# Altium PCB 830-00011 Microhard Module Breakout Board.PcbDoc
Units mm, origin at the board's own origin, x right, y up, seen from the top; angles counter-clockwise.
Board outline 56.95 x 89.2 mm, 4 copper layers (Top Layer, Int1 (GND), Int2 (GND), Bottom Layer), stack 1.538 mm thick; 23 components, 21 nets, 162 pads, 715 vias.
Unrouted connection lines stored in the file: 1645.
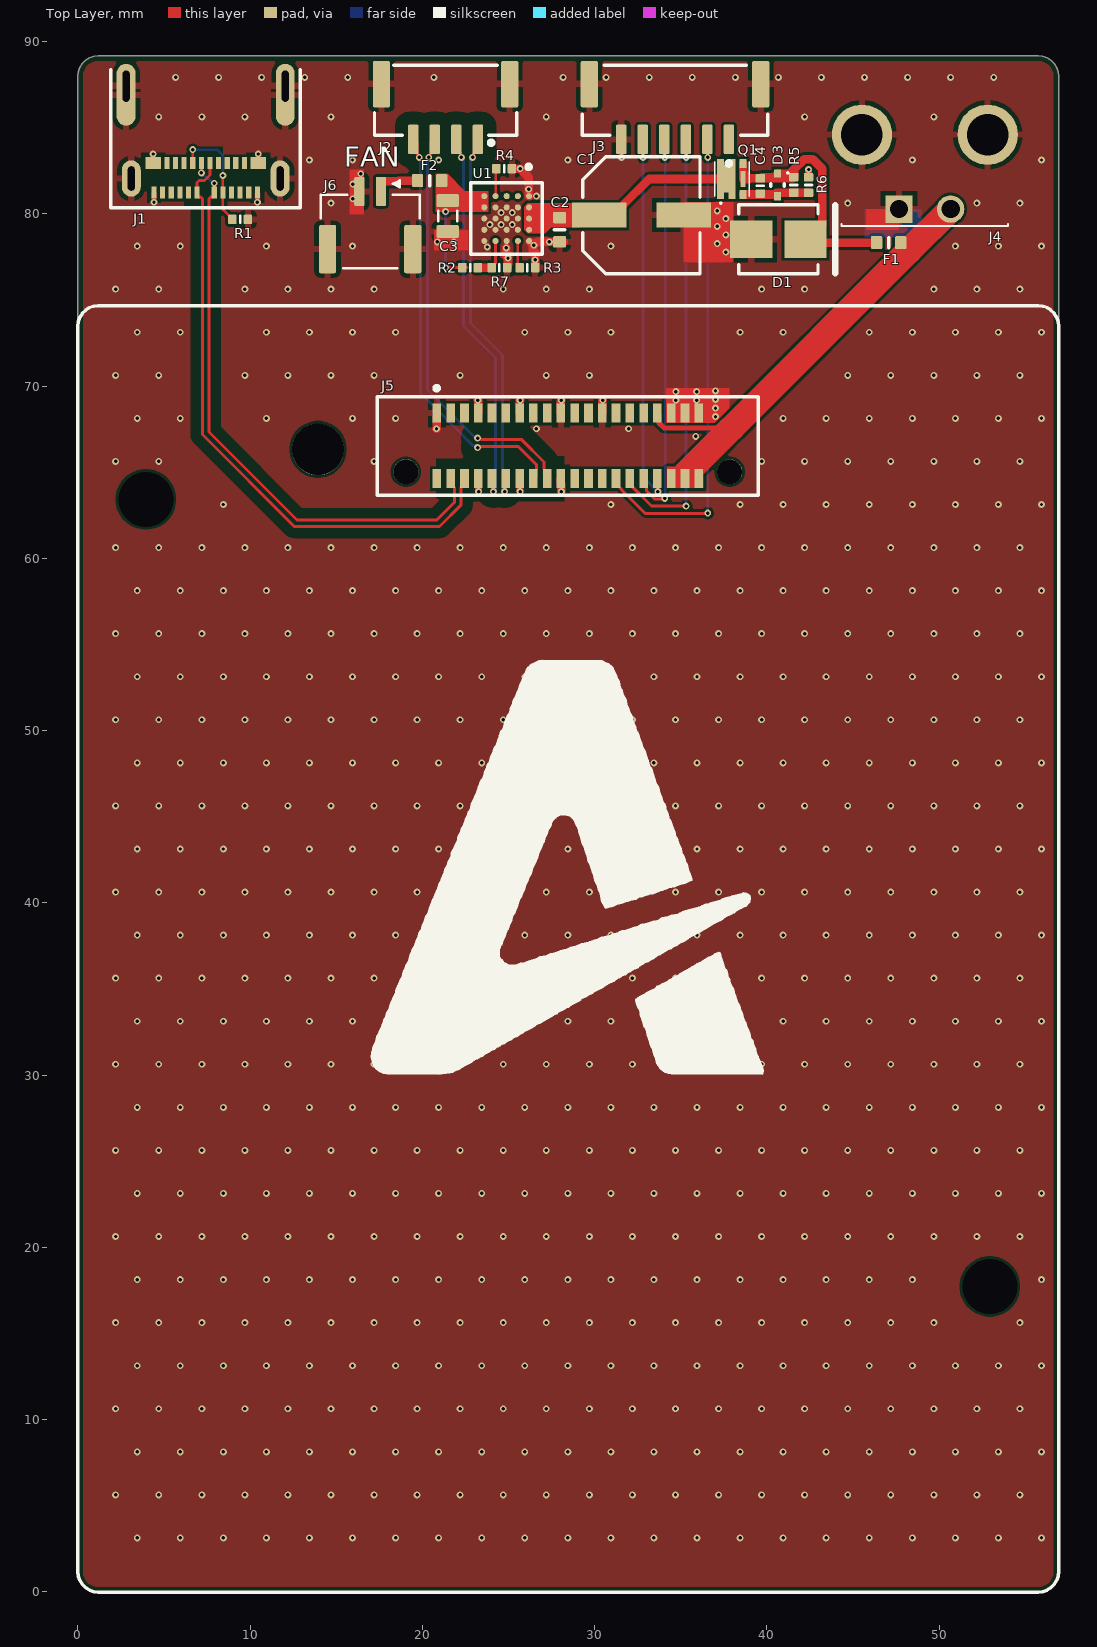
[diagram p0: Top Layer view]
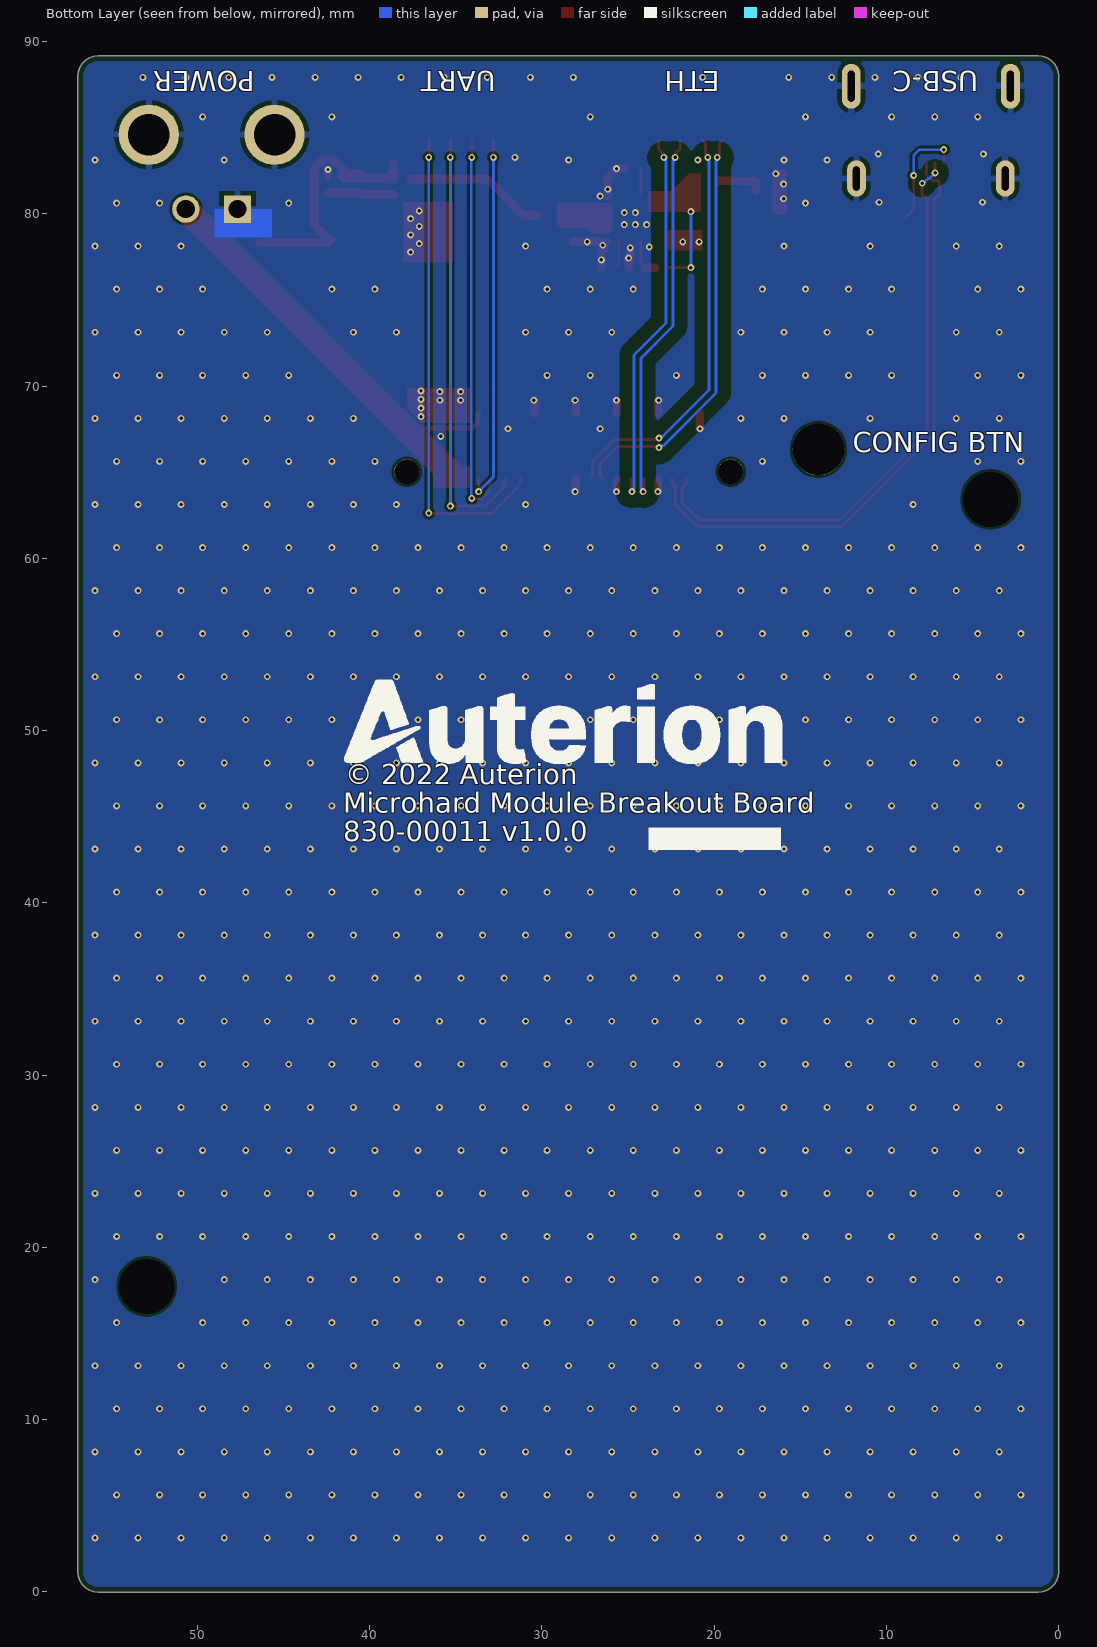
[diagram p1: Bottom Layer view, seen from below]
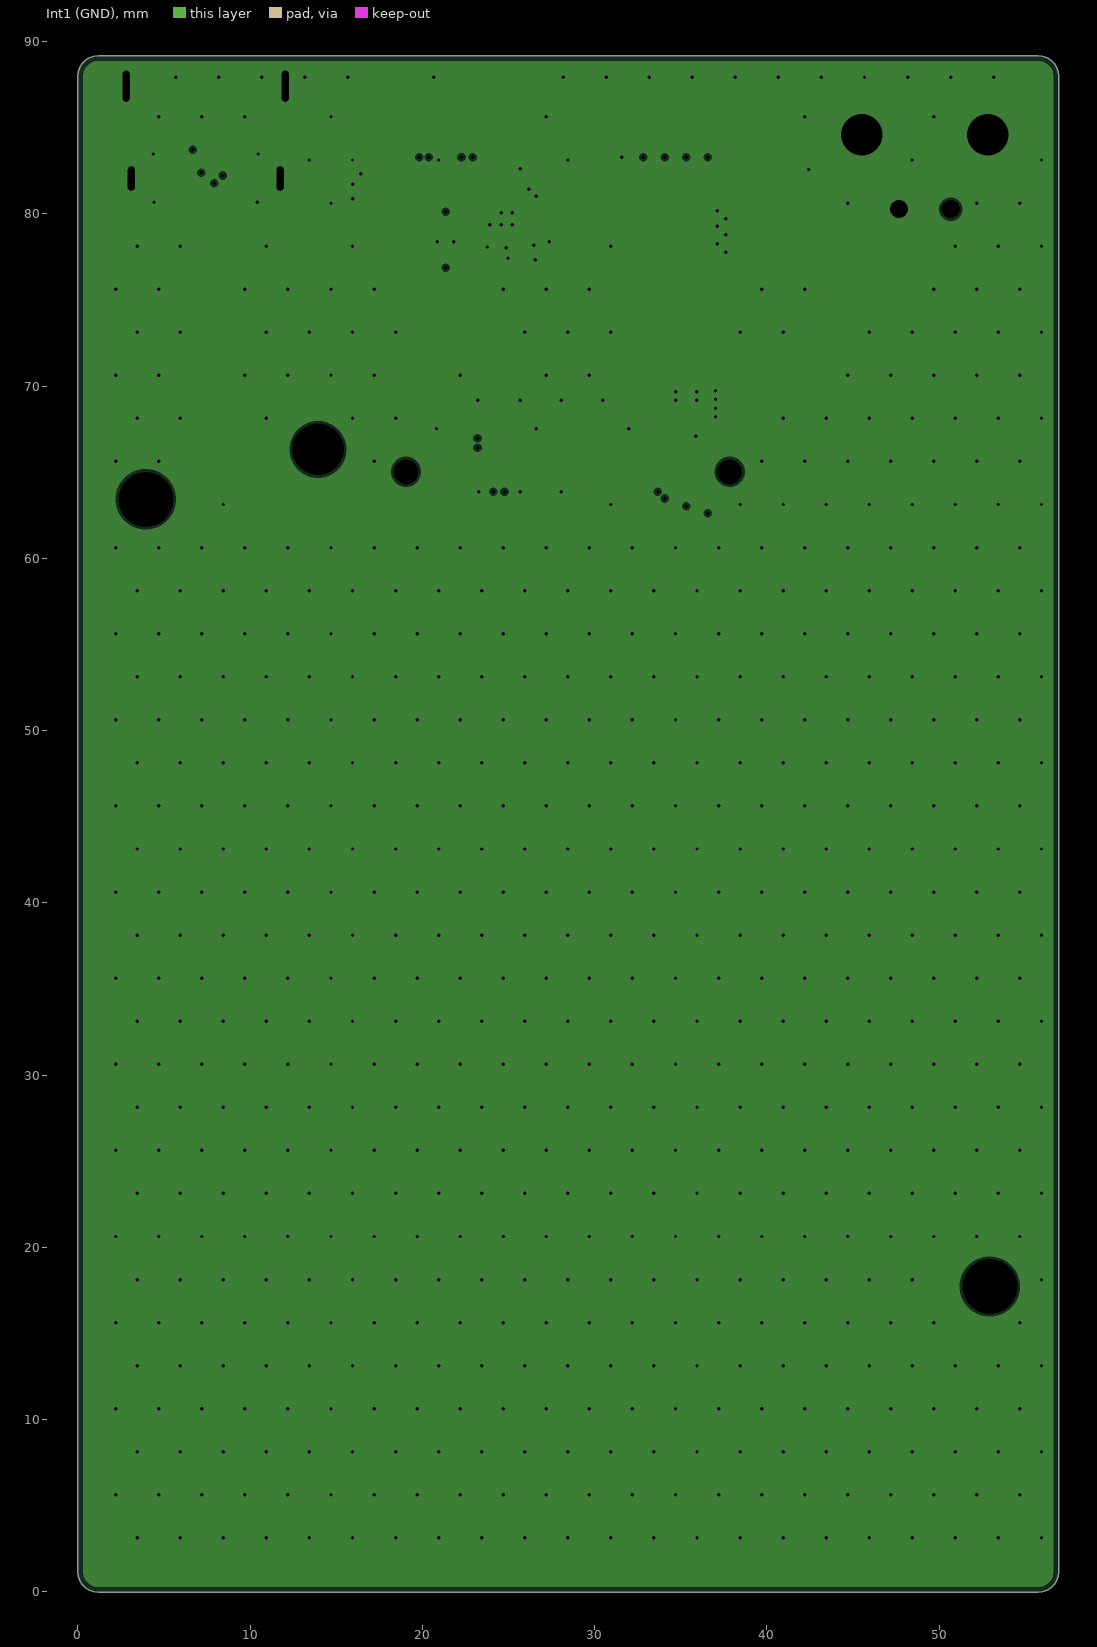
[diagram p2: Int1 (GND), clearances drawn from the general rule]
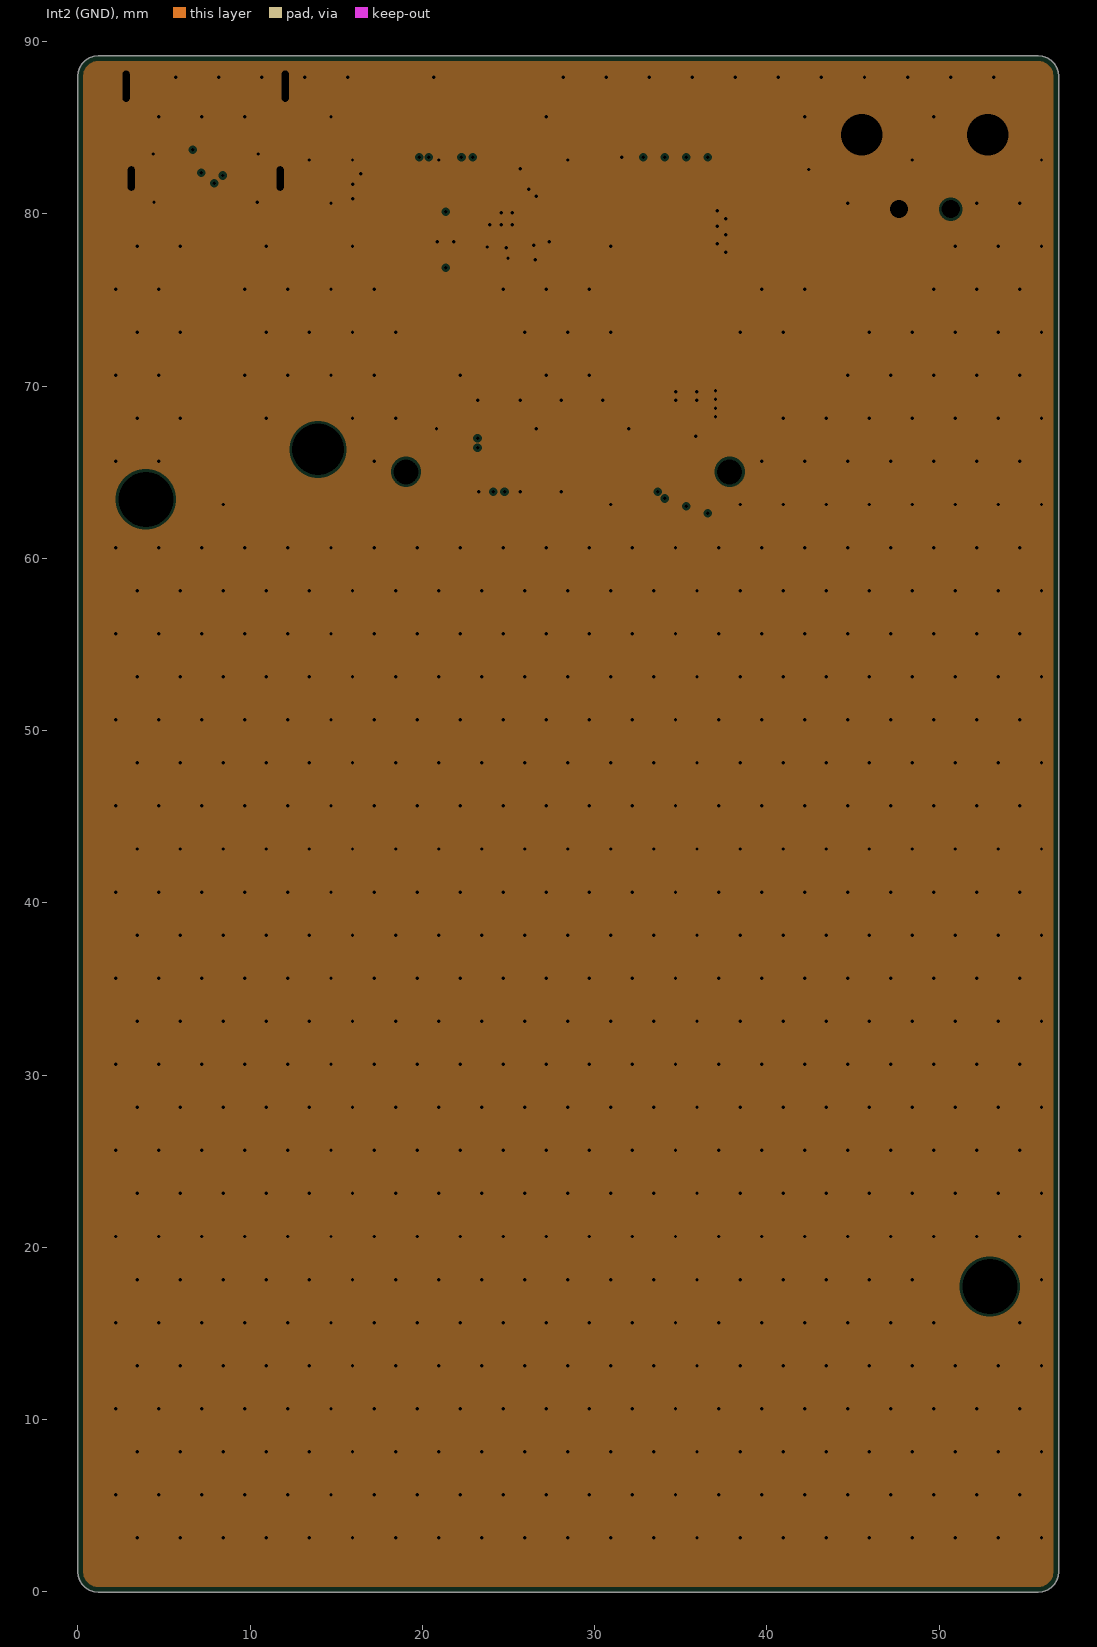
[diagram p3: Int2 (GND), clearances drawn from the general rule]
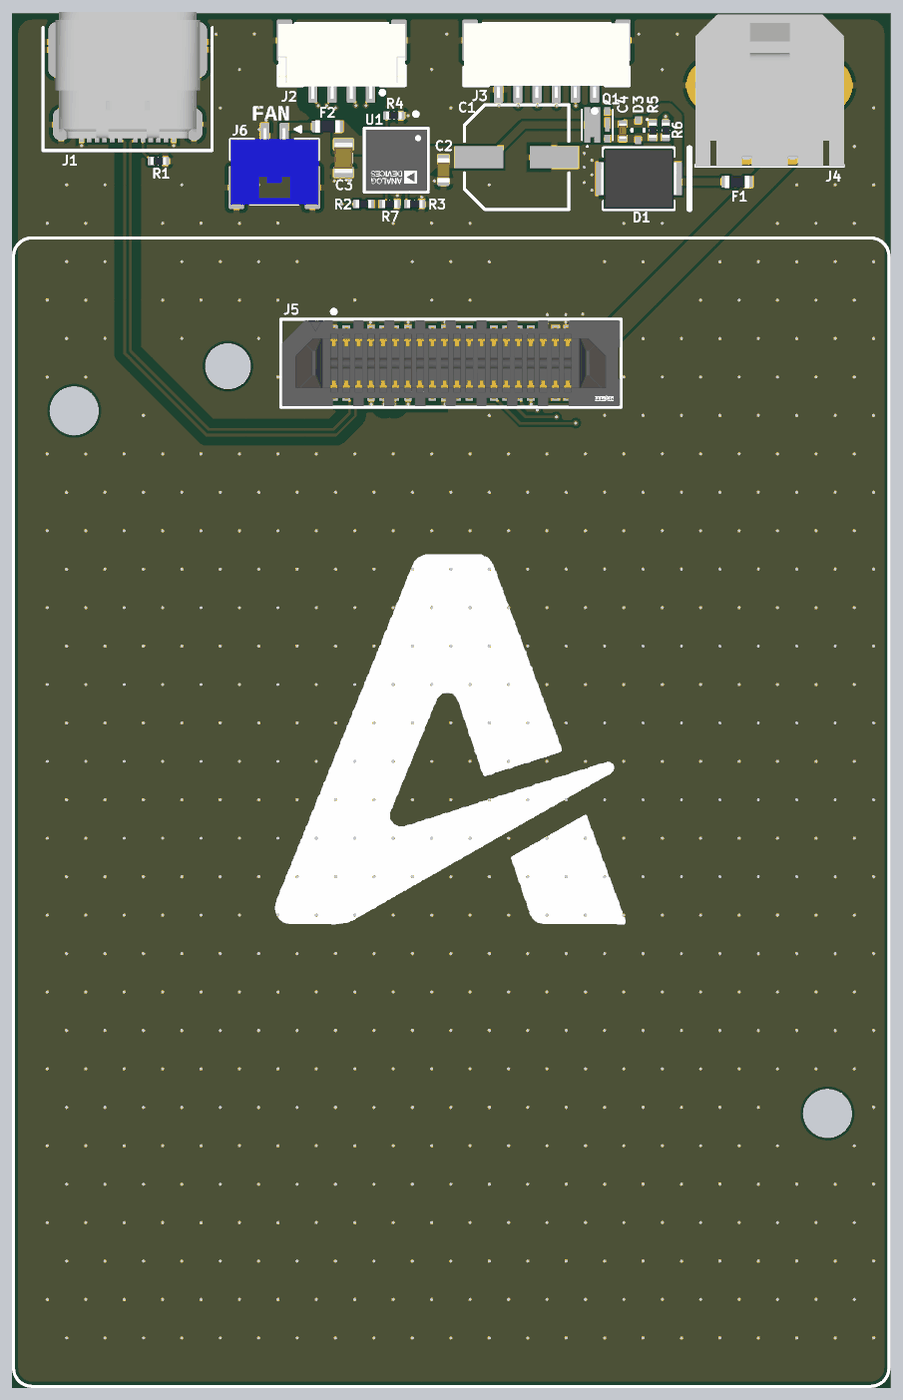
[diagram p4: 3D render of the assembled board from above, using the file's embedded part models]

## Layer stack, top to bottom
Top Solder: solder mask 0.025, SM-001, Dk 4
Top Layer: signal copper 0.035
Dielectric 1: prepreg 0.102, FR-370HR 106, Dk 3.56
Int1 (GND): plane copper 0.035, net GND
Dielectric 2: core 1.194, FR-370HR 0.047, Dk 4.24
Int2 (GND): plane copper 0.035, net GND
Dielectric 3: prepreg 0.102, FR-370HR 106, Dk 3.56
Bottom Layer: signal copper 0.035
Bottom Solder: solder mask 0.025, SM-001, Dk 4

## Board outline
0.262,0.427 0.119,0.654 0.03,0.908 0,1.175 0,87.975 0.03,88.242 0.119,88.496 0.262,88.723 0.452,88.913 0.679,89.056 0.933,89.145 1.2,89.175 55.75,89.175 56.017,89.145 56.271,89.056 56.498,88.913 56.688,88.723 56.831,88.496 56.92,88.242 56.95,87.975 56.95,1.175 56.92,0.908 56.831,0.654 56.688,0.427 56.498,0.237 56.271,0.094 56.017,0.005 55.75,-0.025 1.2,-0.025 0.933,0.005 0.679,0.094 0.452,0.237

## Design rules (kind name [scope] priority, off if disabled: settings)
BoardOutlineClearance [Not (OnLayer('Top Overlay'))] p1: gap=0.3 ignorepadtopadclearanceinfootprint=FALSE
Clearance Clearance_ETH_TX [InDifferentialPair('ETH_TX') vs Not (InDifferentialPair('ETH_TX') or InComponent('J2') or InComponent('J5') or ((IsVia or IsTrack) and InNet('GND')))] p1: gap=0.75 ignorepadtopadclearanceinfootprint=TRUE
Clearance Clearance_ETH_RX [InDifferentialPair('ETH_RX') vs Not (InDifferentialPair('ETH_RX') or InComponent('J2') or InComponent('J5')  or ((IsVia or IsTrack) and InNet('GND')))] p2: gap=0.75 ignorepadtopadclearanceinfootprint=TRUE
Clearance Clearance_USB [InDifferentialPairClass('USB') vs Not (InDifferentialPairClass('USB') or InComponent('J1') or InComponent('J5') or ((IsVia or IsTrack) and InNet('GND')) or InNet('NetJ1_A5'))] p3: gap=0.6 ignorepadtopadclearanceinfootprint=TRUE
Clearance [All] p4: gap=0.15 ignorepadtopadclearanceinfootprint=TRUE
ComponentClearance [Not (HasFootprint('TEST_PAD') or InComponent('F52') or InComponent('F51')) vs Not (InComponent('F52') or InComponent('F51'))] p1: gap=0.254 collisioncheckmode=3 verticalgap=0.254 showdistances=FALSE
DiffPairsRouting DiffPairsRouting_USB [InDifferentialPairClass('USB')] p1: maxlimit=0.2 minlimit=0.2 mostfreqgap=0.2 toplayer_minwidth=0.175 toplayer_maxwidth=0.175 toplayer_prefwidth=0.175 bottomlayer_minwidth=0.175 bottomlayer_maxwidth=0.175 bottomlayer_prefwidth=0.175 maxuncoupledlength=12.7
DiffPairsRouting DiffPairsRouting_ETH [InDifferentialPairClass('ETH')] p2: maxlimit=0.25 minlimit=0.25 mostfreqgap=0.25 toplayer_minwidth=0.167 toplayer_maxwidth=0.167 toplayer_prefwidth=0.167 bottomlayer_minwidth=0.167 bottomlayer_maxwidth=0.167 bottomlayer_prefwidth=0.167 maxuncoupledlength=12.7
HoleSize [All] p1: absolutevalues=TRUE maxlimit=5 minlimit=0.15 maxpercent=80.000 minpercent=20.000
HoleToHoleClearance [All] p1: gap=0.27 allowstackedmicrovias=FALSE
MinimumAnnularRing [All] p1: minimumring=0.1
MinimumSolderMaskSliver [All] p1: minsoldermaskwidth=0.08
NetAntennae [Not InNet('NetF52_1')] p1: netantennaetolerance=0
PlaneClearance [All] p1: clearance=0.15
PlaneConnect [All] p1: pad.planeconnectstyle=Relief pad.reliefexpansion=0.254 pad.reliefentries=4 pad.reliefconductorwidth=0.254 pad.reliefairgap=0.254 via.planeconnectstyle=Direct via.reliefexpansion=0.254 via.reliefentries=4 via.reliefconductorwidth=0.254 via.reliefairgap=0.254
PolygonConnect PolygonConnect_U1 [HasFootprint('FP-BGA-25-05-08-1566-MFG')] p1: connectstyle=Direct reliefconductorwidth=0.254 reliefentries=4 polygonreliefangle="90 Angle" airgapwidth=0.254
PolygonConnect [All] p2: thpad.connectstyle=Relief thpad.reliefconductorwidth=0.381 thpad.reliefentries=4 thpad.polygonreliefangle="90 Angle" thpad.airgapwidth=0.254 smdpad.connectstyle=Relief smdpad.reliefconductorwidth=0.381 smdpad.reliefentries=4 smdpad.polygonreliefangle="90 Angle" smdpad.airgapwidth=0.254 via.connectstyle=Direct via.reliefconductorwidth=0.381 via.reliefentries=4 via.polygonreliefangle="90 Angle" via.airgapwidth=0.254
RoutingVias [All] p1: holewidth=0.2 width=0.4 viastyle="Through Hole" minholewidth=0.2 minwidth=0.4 maxholewidth=0.6 maxwidth=1
SilkToSilkClearance [All] p1: silktosilkclearance=0
SilkToSolderMaskClearance [IsPad] p1 off: minsilkscreentomaskgap=0.025 clearancetoexposedcopper=TRUE
SolderMaskExpansion [All] p1: expansion=0.05 istentingtop=FALSE
Width [All] p1: maxlimit=1.5 minlimit=0.15 preferedwidth=0.15
20 further rules are at their usual default settings.

## Classes and differential pairs
differential pair class USB: USB_D
differential pair class ETH: ETH_RX ETH_TX
differential pair USB_D: +USB_D_P -USB_D_N
differential pair ETH_TX: +ETH_TX_P -ETH_TX_N
differential pair ETH_RX: +ETH_RX_P -ETH_RX_N

## Components (designator, comment, footprint, x,y, rotation, side; value= is the part's Value field where it differs from the comment)
C1 "UCM1V151MCL1GS" CAPAE6866X82L 32.725,79.925 r0 top value=150µF
C2 "1uF / 0603 / 10% / 50V / X5R" CAPC0603(1608)100_L 27.97,79.075 r90 top value=1µF
C3 "10uF / 0805 / 20% / 16V / X7R" CAPC0805(2012)145_L 21.475,79.875 r90 top value=10µF
C4 "1uF / 0402 / 10% / 35V / X5R" CAPC0402(1005)60_L 39.625,81.625 r90 top value=1µF
D1 "1.5SMBJ30A" JCET-SMB-2_N 40.675,78.525 r0 top
D3 "RB521S30T1G" ONSC-SOD-523-2-502-01_V 40.625,81.675 r270 top
F1 "SF-0603S040-2" RESC0603(1608)_L 47.075,78.325 r180 top
F2 "C2Q300" RESC0603(1608)_L 20.425,81.925 r180 top
J1 "2012670005" 2012670005 7.425,84.325 r180 top
J2 "SM04B-GHS-TB" JST-SM04B-GHS-TB 21.35,88.875 r180 top
J3 "SM06B-GHS-TB" JST-SM06B-GHS-TB_V 34.675,85.925 r180 top
J4 "0436500205" SHDRRA2W64P300_2X1_965X990H437 49.175,80.275 r0 top
J5 "ERM8-020-02.0-L-DV-P-TR" FP-ERM8-020-02_0-L-DV-TR-MFG 28.45,66.525 r0 top locked
J6 "BM02B-GHS-TBT" JST-BM02B-GHS-TBT_V 16.975,79.625 r180 top
Q1 "DMP4047LFDE-7" DMP2066UFDE7 37.975,82.025 r0 top
R1 "5.1K / 0402 / 1% / 0.063W / 100PPM/K" RESC0402(1005)_L 9.425,79.675 r0 top value=5.1k
R2 "7.5K / 0402 / 1% / 0.063W / 100PPM/K" RESC0402(1005)_L 22.775,76.875 r180 top value=7.5k
R3 "23.7K / 0402 / 1% / 0.063W / 100PPM/K" RESC0402(1005)_L 26.1,76.875 r180 top value=23.7k
R4 "47K / 0402 / 1% / 0.063W / 100PPM/K" RESC0402(1005)_L 24.75,82.625 r180 top value=47k
R5 "1.8M / 0402 / 1% / 0.063W / 100PPM/K" RESC0402(1005)_L 41.575,81.675 r90 top value=1.8M
R6 "1.2M / 0402 / 1% / 0.063W / 100PPM/K" RESC0402(1005)_L 42.425,81.675 r270 top value=1.2M
R7 "17.4K / 0402 / 1% / 0.063W / 100PPM/K" RESC0402(1005)_L 24.475,76.875 r180 top value=17.4k
U1 "LTM8074EY#PBF" FP-BGA-25-05-08-1566-MFG 24.9,79.725 r270 top

## Footprints (in the part's own frame and the unit in brackets; to place one, negate y for a bottom-side part, rotate by r counter-clockwise, add the part's x,y. Pads: shape width x height; smd on the part's side, far side on the other; paste and mask are expansions set on the pad)
2012670005 [mm]
  rect 0.3x0.7 smd: A1(-3,3.085) A2(-2.5,3.085) A3(-2,3.085) A4(-1.5,3.085) A5(-1,3.085) A6(-0.5,3.085) A7(0.5,3.085) A8(1,3.085) A9(1.5,3.085) A10(2,3.085) A11(2.5,3.085) A12(3,3.085) B2(2.25,1.385) B3(1.75,1.385) B4(1.25,1.385) B5(0.75,1.385) B6(0.25,1.385) B7(-0.25,1.385) B8(-0.75,1.385) B9(-1.25,1.385) B10(-1.75,1.385) B11(-2.25,1.385)
  rect 0.9x0.7 smd: B1(3.05,1.385) B12(-3.05,1.385)
  oval 1.1x3.6 smd: EXPB(-4.62,-2.585) EXPB1(4.62,-2.585)
  oval 1.1x2.6 hole 0.4 slot 1.8 at 90 deg: EXPB(-4.62,-3.085) EXPB1(4.62,-3.085)
  oval 1.1x2.1 hole 0.4 slot 1.4 at 90 deg: EXPB2(-4.32,2.275) EXPB3(4.32,2.275)
  oval 1.1x2.1 on Top Paste paste-50: ""(-4.32,2.275) ""(4.32,2.275)
  silkscreen extent -5.5,-4.04 5.5,3.96, body extent -4.7,-5.03 4.69,3.27, height 3.69
CAPAE6866X82L [mm] "Aluminum Electrolytic Capacitor, Body 6.60x6.60x8.20mm, IPC High Density"
  rect 3.15x1.45 smd: 1(-2.45,0) 2(2.45,0)
  silkscreen extent -3.4,-3.4 3.4,3.4, body extent -3.4,-3.4 3.4,3.4, height 8.2
CAPC0402(1005)60_L [mm] "Chip Capacitor, Body 1.0x0.5mm, Height 0.6mm, IPC High Density"
  rrect25% 0.5x0.55 smd: 1(-0.45,0) 2(0.45,0)
  silkscreen extent 0,-0.2 0,0.2, body extent -0.5,-0.25 0.5,0.25, height 0.6
CAPC0603(1608)100_L [mm] "Chip Capacitor, Body 1.6x0.8mm, Height 1.0mm, IPC High Density"
  rrect25% 0.66x0.76 smd: 1(-0.7,0) 2(0.7,0)
  silkscreen extent 0,-0.3 0,0.3, body extent -0.8,-0.4 0.8,0.4, height 0.95
CAPC0805(2012)145_L [mm] "Chip Capacitor, Body 2.0x1.2mm, Height 1.45mm, IPC High Density"
  rrect25% 0.76x1.3 smd: 1(-0.9,0) 2(0.89,0)
  silkscreen extent -0.3,-0.55 0.3,0.55, body extent -1,-0.6 1,0.6, height 1.45
DMP2066UFDE7 [mm]
  rect 0.4x0.35 smd: D(-0.65,-0.975) D(-0.65,0.975) D(0,-0.975) D(0,0.975)
  rect 1.05x1.6 smd: D(-0.325,0)
  rect 0.4x0.5 smd: G(0.65,-0.9) S(0.65,0.9)
  rect 0.285x0.92 smd: S(0.65,0)
  silkscreen extent -1,-1.45 1,1, body extent -1.1,-1.1 1.1,1.1, height 0.63
FP-BGA-25-05-08-1566-MFG [mm]
  round 0.35 smd paste+0 mask+0: A1(-1.3,1.3) A2(-0.65,1.3) A3(0,1.3) A4(0.65,1.3) A5(1.3,1.3) B1(-1.3,0.65) B2(-0.65,0.65) B3(0,0.65) B4(0.65,0.65) B5(1.3,0.65) C1(-1.3,0) C2(-0.65,0) C3(0,0) C4(0.65,0) C5(1.3,0) D1(-1.3,-0.65) D2(-0.65,-0.65) D3(0,-0.65) D4(0.65,-0.65) D5(1.3,-0.65) E1(-1.3,-1.3) E2(-0.65,-1.3) E3(0,-1.3) E4(0.65,-1.3) E5(1.3,-1.3)
  silkscreen extent -3.12,-2.07 2.07,2.07, body extent -2.58,-2.58 2.58,2.58, height 0.25
FP-ERM8-020-02_0-L-DV-TR-MFG [mm]
  rect 0.5x1.1 smd: 01(-7.6,1.9) 02(-7.6,-1.9) 03(-6.8,1.9) 04(-6.8,-1.9) 05(-6,1.9) 06(-6,-1.9) 07(-5.2,1.9) 08(-5.2,-1.9) 09(-4.4,1.9) 10(-4.4,-1.9) 11(-3.6,1.9) 12(-3.6,-1.9) 13(-2.8,1.9) 14(-2.8,-1.9) 15(-2,1.9) 16(-2,-1.9) 17(-1.2,1.9) 18(-1.2,-1.9) 19(-0.4,1.9) 20(-0.4,-1.9) 21(0.4,1.9) 22(0.4,-1.9) 23(1.2,1.9) 24(1.2,-1.9) 25(2,1.9) 26(2,-1.9) 27(2.8,1.9) 28(2.8,-1.9) 29(3.6,1.9) 30(3.6,-1.9) 31(4.4,1.9) 32(4.4,-1.9) 33(5.2,1.9) 34(5.2,-1.9) 35(6,1.9) 36(6,-1.9) 37(6.8,1.9) 38(6.8,-1.9) 39(7.6,1.9) 40(7.6,-1.9)
  round 1.45 hole 1.45 unplated: ""(-9.4,-1.5) ""(9.4,-1.5)
  silkscreen extent -11.06,-2.87 11.06,3.47, body extent -11.16,-2.97 11.16,2.97, height 0.25
JCET-SMB-2_N [mm] "Molded Diode, 2-Leads, Body 4.57x3.94mm"